# KiCad board SparkFun_GNSS_DAN-F10N_panelized.kicad_pcb
note: Designed by: N. Seidle
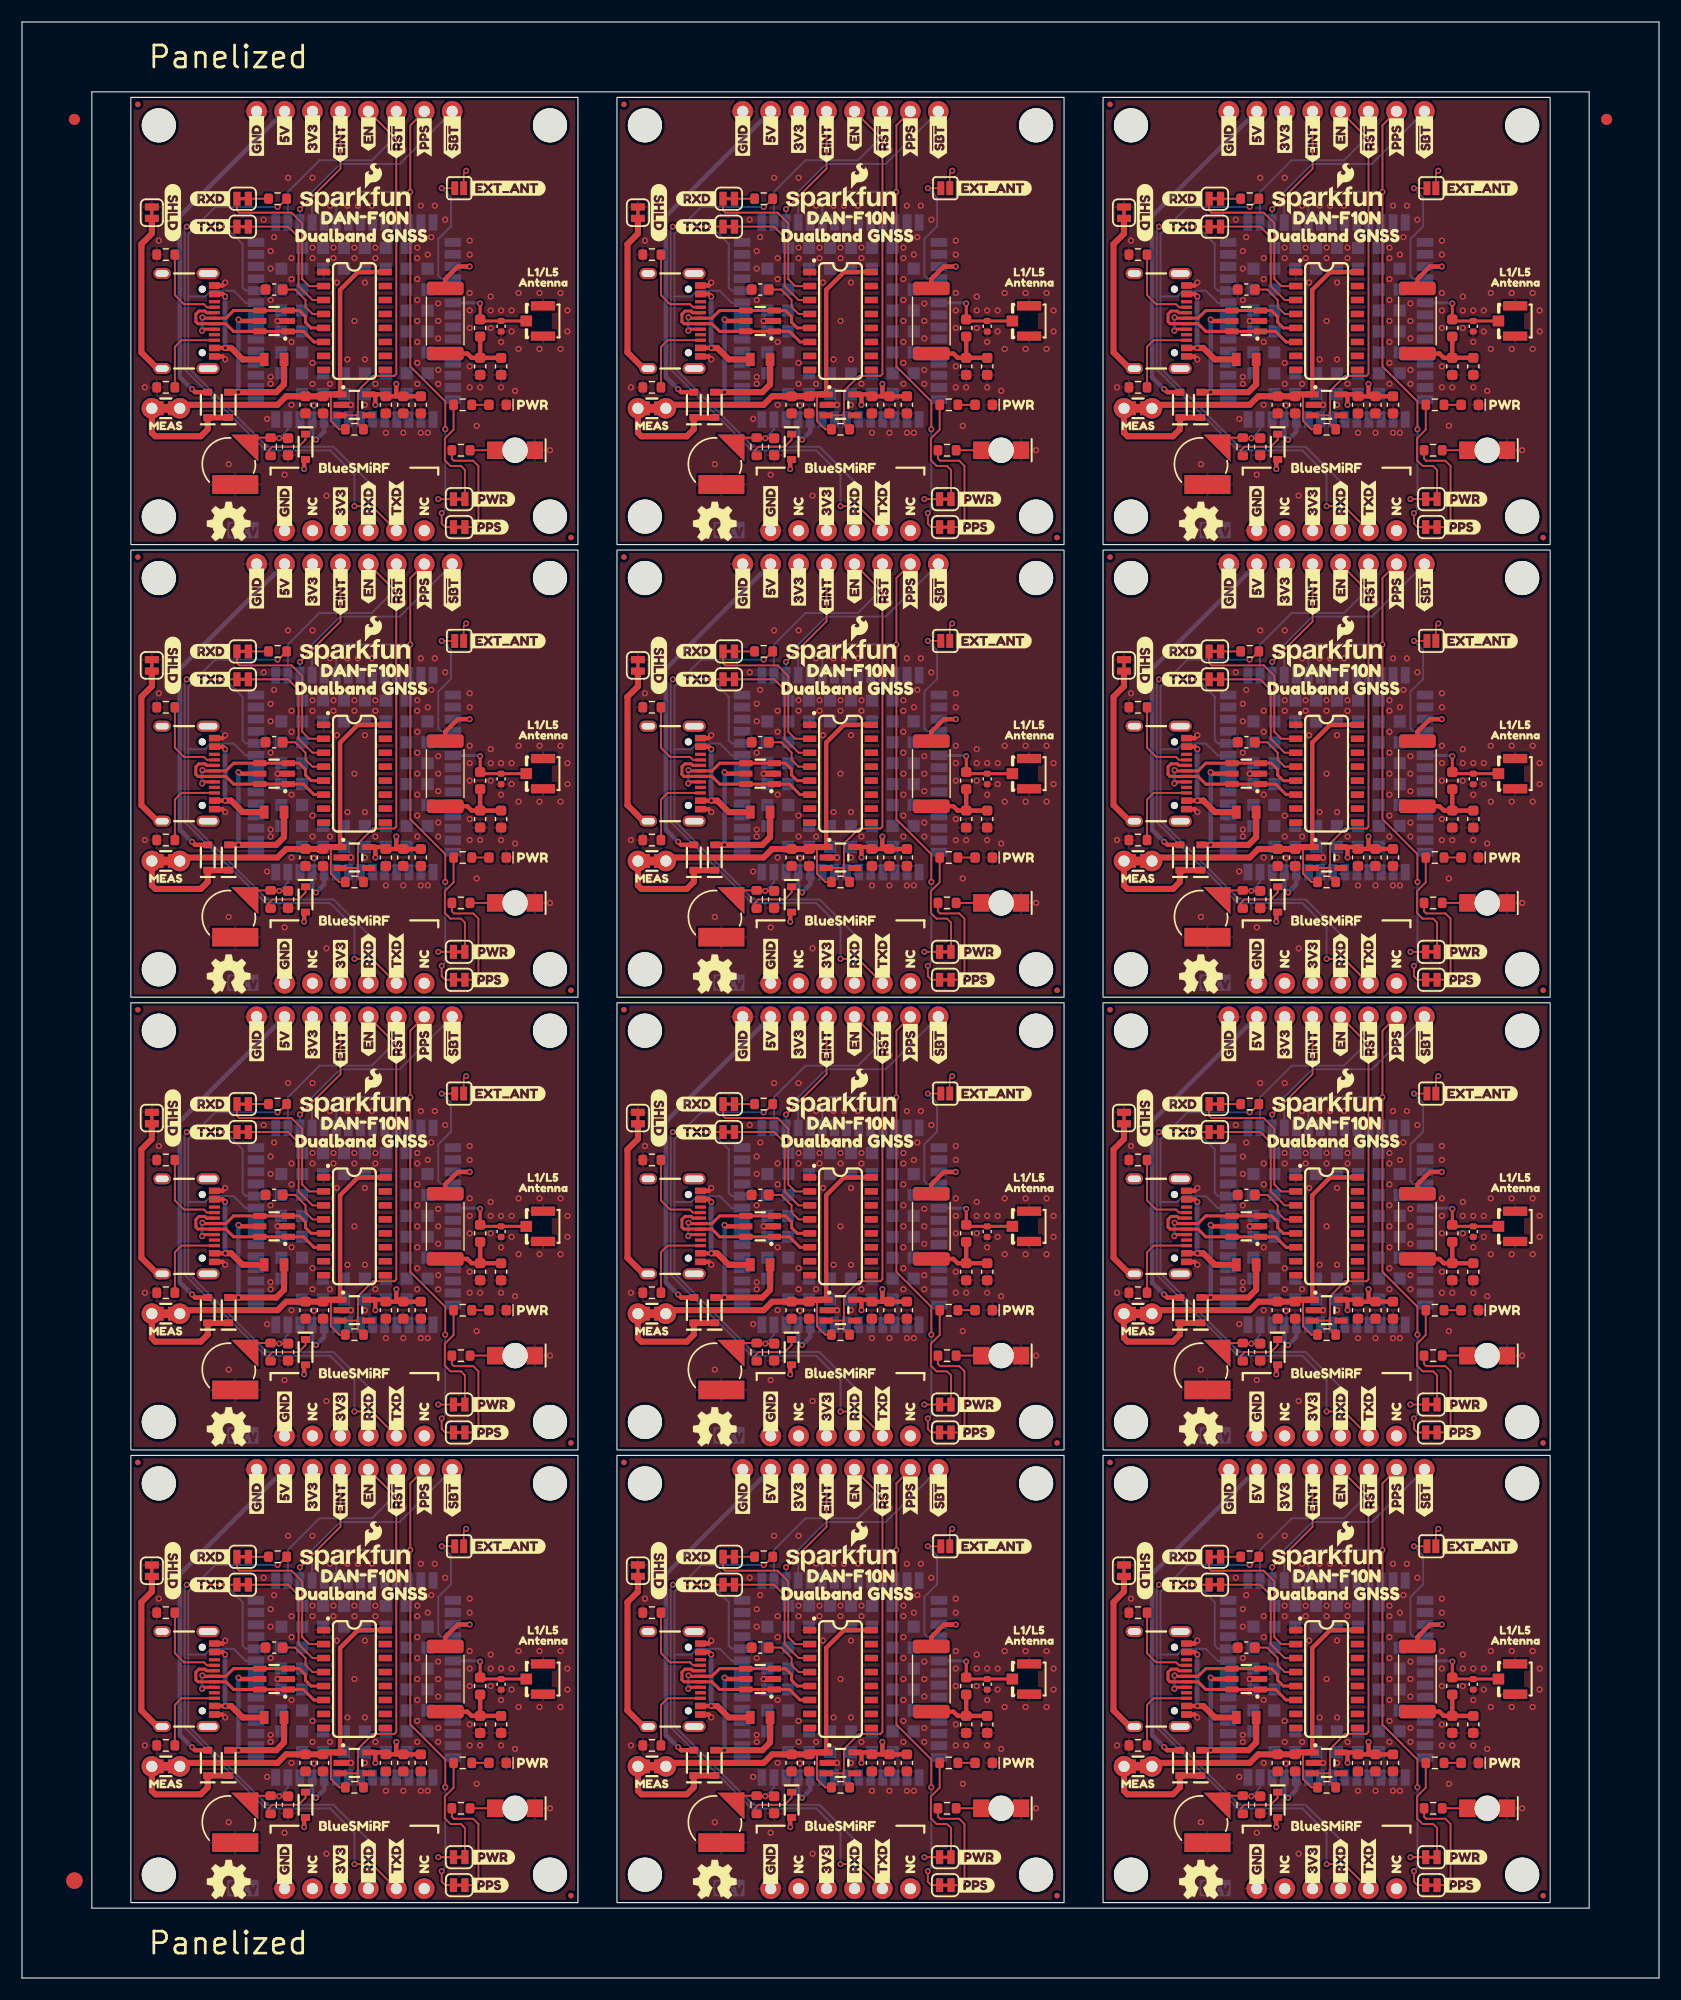
[diagram p0: board, top side]
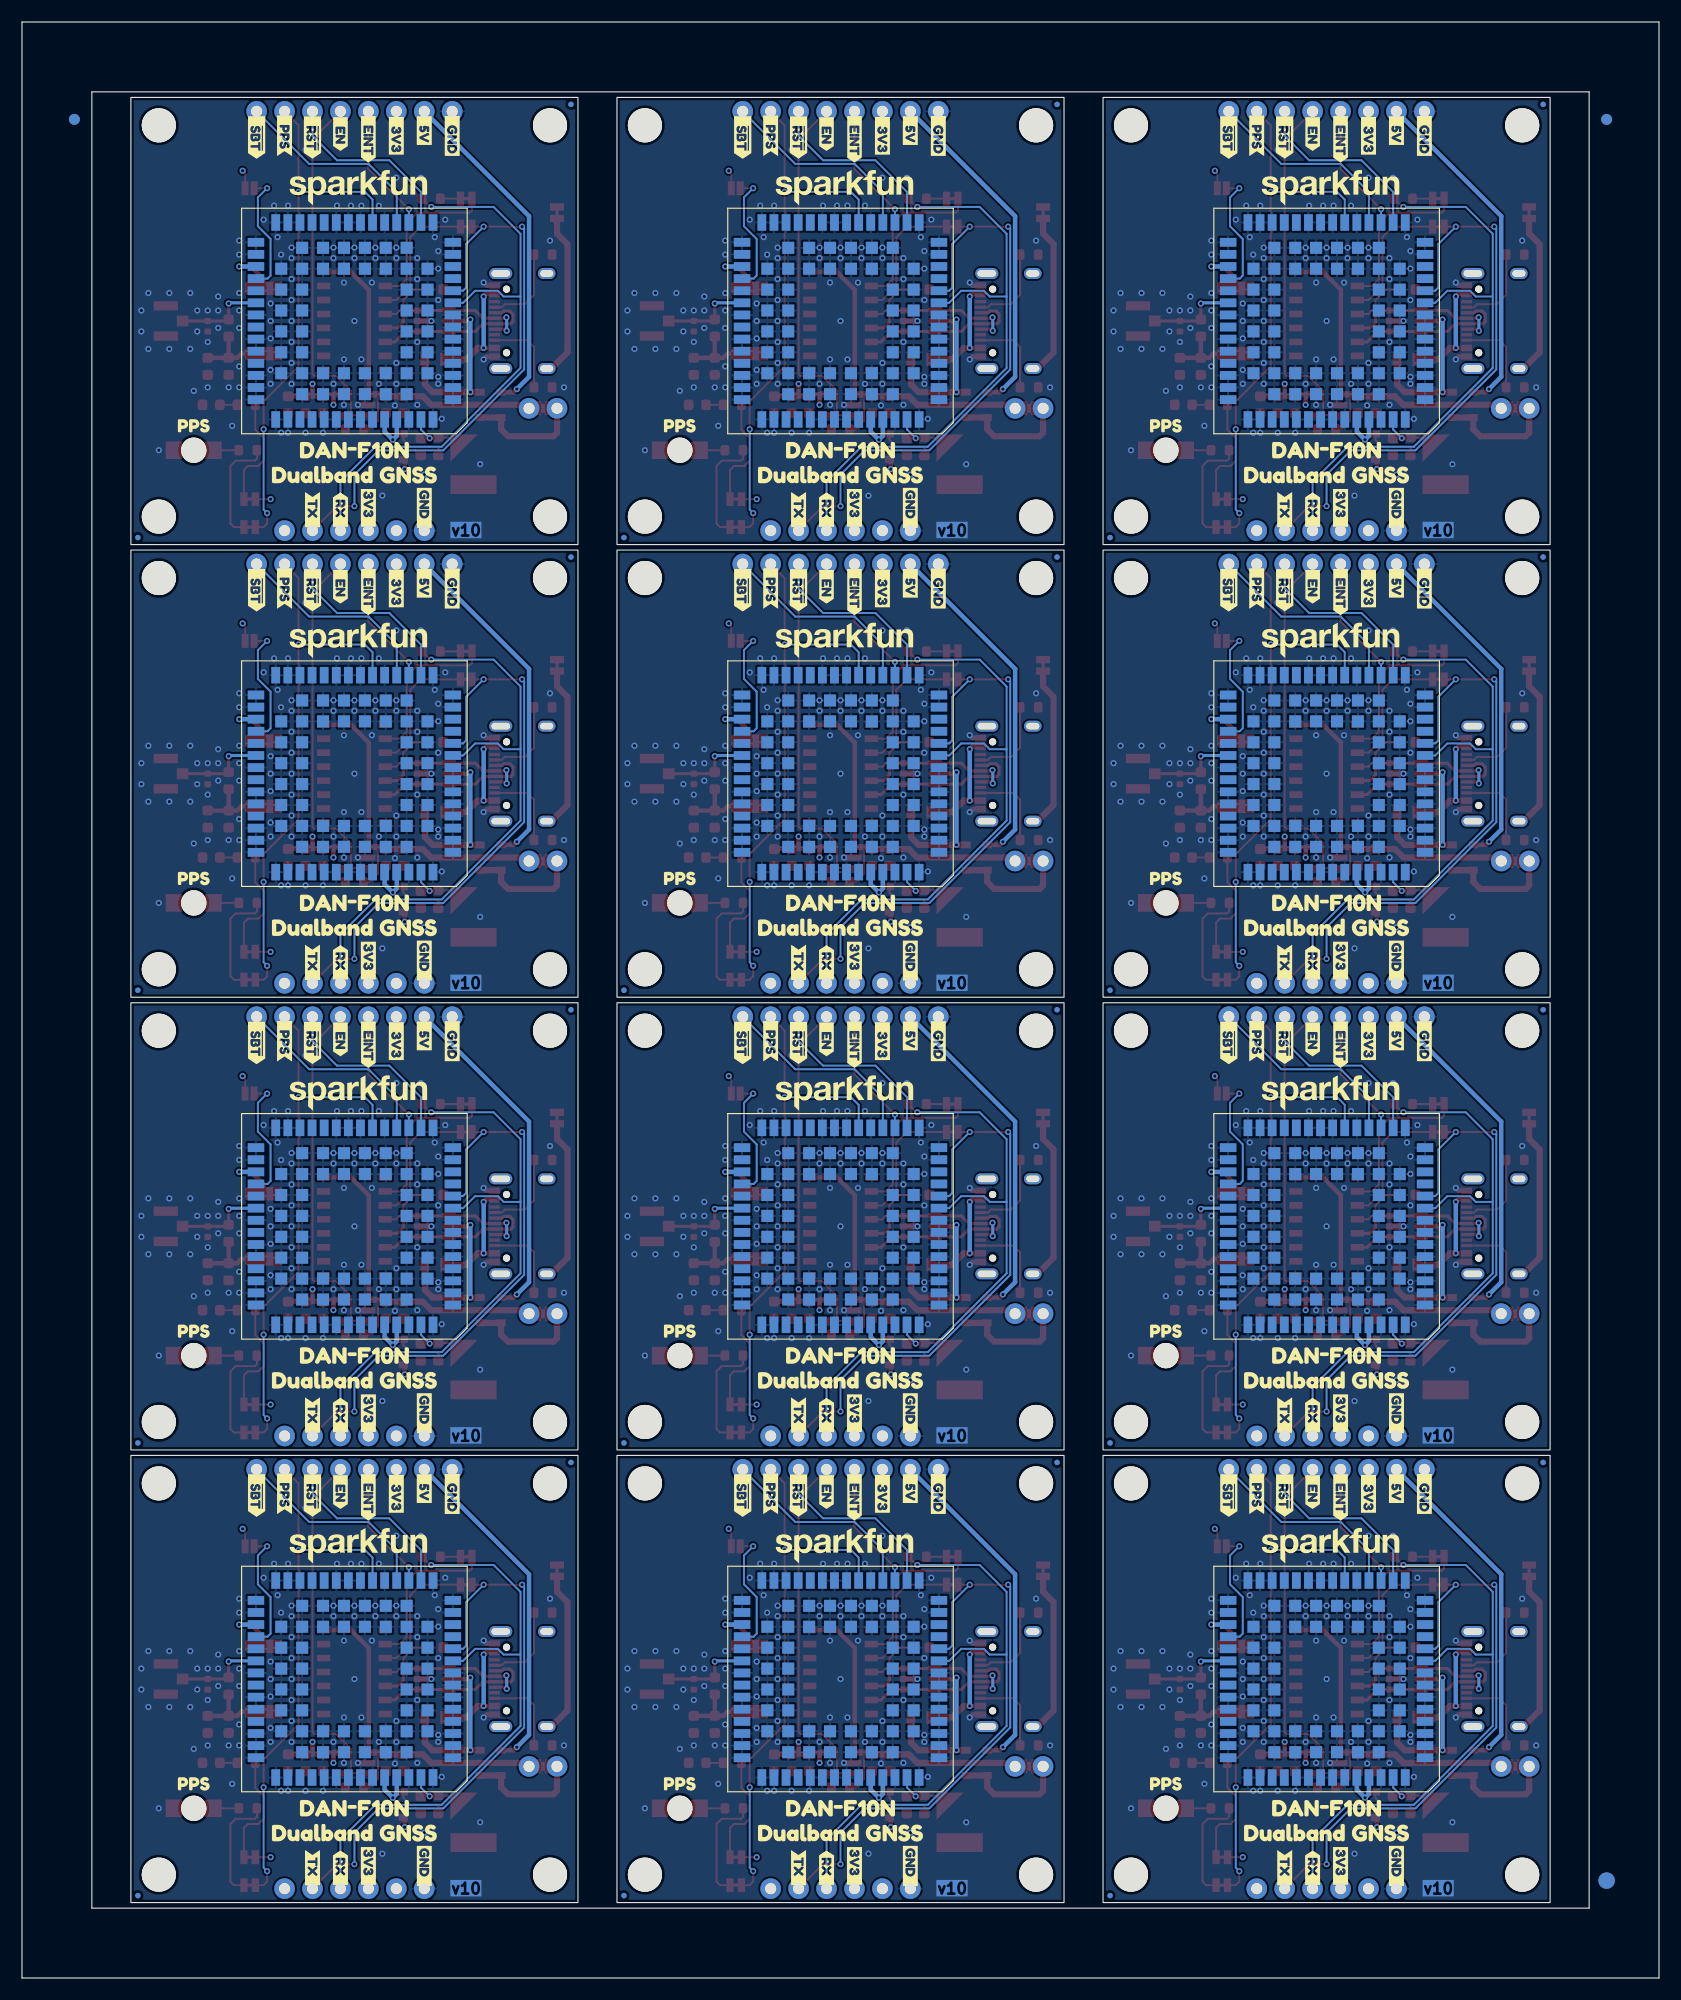
[diagram p1: board, bottom side, seen from below]

Outline 148.81 x 177.76 mm; copper layers: Top, In1.Cu, In2.Cu, Bottom. Coordinates in mm from the lower left corner of the outline.
Outline path: rectangle 9.9,170.91 50.54,130.27 ; rectangle 9.9,129.77 50.54,89.13 ; rectangle 9.9,88.63 50.54,47.99 ; rectangle 9.9,47.49 50.54,6.85 ; rectangle 54.09,170.91 94.73,130.27 ; rectangle 54.09,129.77 94.73,89.13 ; rectangle 54.09,88.63 94.73,47.99 ; rectangle 54.09,47.49 94.73,6.85 ; rectangle 98.27,170.91 138.91,130.27 ; rectangle 98.27,129.77 138.91,89.13 ; rectangle 98.27,88.63 138.91,47.99 ; rectangle 98.27,47.49 138.91,6.85 ; 0,177.76 148.81,177.76 148.81,0 0,0 0,177.76 ; 6.35,171.41 142.46,171.41 142.46,6.35 6.35,6.35 6.35,171.41
Stack: Top 0.035mm / dielectric 0.1mm FR4 er 4.5 / In1.Cu 0.035mm / dielectric 1.24mm FR4 er 4.5 / In2.Cu 0.035mm / dielectric 0.1mm FR4 er 4.5 / Bottom 0.035mm

## Placement (name value [footprint] x y rotation side)
BT1  6.8mm_ML414H  [ML414H_IV01E]  18.79 14.15 0 top
BT1#2  6.8mm_ML414H  [ML414H_IV01E]  62.98 55.29 0 top
BT1#3  6.8mm_ML414H  [ML414H_IV01E]  18.79 137.57 0 top
BT1#4  6.8mm_ML414H  [ML414H_IV01E]  107.16 14.15 0 top
BT1#5  6.8mm_ML414H  [ML414H_IV01E]  18.79 55.29 0 top
BT1#6  6.8mm_ML414H  [ML414H_IV01E]  18.79 96.43 0 top
BT1#7  6.8mm_ML414H  [ML414H_IV01E]  62.98 14.15 0 top
BT1#8  6.8mm_ML414H  [ML414H_IV01E]  62.98 96.43 0 top
BT1#9  6.8mm_ML414H  [ML414H_IV01E]  62.98 137.57 0 top
BT1#10  6.8mm_ML414H  [ML414H_IV01E]  107.16 55.29 0 top
BT1#11  6.8mm_ML414H  [ML414H_IV01E]  107.16 96.43 0 top
BT1#12  6.8mm_ML414H  [ML414H_IV01E]  107.16 137.57 0 top
C1  0.1uF  [C_0603_1608Metric]  43.55 23.04 270 top
C1#2  0.1uF  [C_0603_1608Metric]  43.55 105.32 270 top
C1#3  0.1uF  [C_0603_1608Metric]  131.93 23.04 270 top
C1#4  0.1uF  [C_0603_1608Metric]  43.55 64.18 270 top
C1#5  0.1uF  [C_0603_1608Metric]  87.74 146.46 270 top
C1#6  0.1uF  [C_0603_1608Metric]  87.74 64.18 270 top
C1#7  0.1uF  [C_0603_1608Metric]  87.74 105.32 270 top
C1#8  0.1uF  [C_0603_1608Metric]  43.55 146.46 270 top
C1#9  0.1uF  [C_0603_1608Metric]  87.74 23.04 270 top
C1#10  0.1uF  [C_0603_1608Metric]  131.93 64.18 270 top
C1#11  0.1uF  [C_0603_1608Metric]  131.93 105.32 270 top
C1#12  0.1uF  [C_0603_1608Metric]  131.93 146.46 270 top
C2  47pF  [C_0603_1608Metric]  41.65 64.18 270 top
C2#2  47pF  [C_0603_1608Metric]  85.84 146.46 270 top
C2#3  47pF  [C_0603_1608Metric]  85.84 64.18 270 top
C2#4  47pF  [C_0603_1608Metric]  130.02 105.32 270 top
C2#5  47pF  [C_0603_1608Metric]  85.84 23.04 270 top
C2#6  47pF  [C_0603_1608Metric]  41.65 105.32 270 top
C2#7  47pF  [C_0603_1608Metric]  41.65 146.46 270 top
C2#8  47pF  [C_0603_1608Metric]  85.84 105.32 270 top
C2#9  47pF  [C_0603_1608Metric]  130.02 23.04 270 top
C2#10  47pF  [C_0603_1608Metric]  130.02 64.18 270 top
C2#11  47pF  [C_0603_1608Metric]  130.02 146.46 270 top
C2#12  47pF  [C_0603_1608Metric]  41.65 23.04 270 top
C7  1.0uF  [C_0603_1608Metric]  27.36 19.55 270 top
C7#2  1.0uF  [C_0603_1608Metric]  27.36 142.97 270 top
C7#3  1.0uF  [C_0603_1608Metric]  71.55 101.83 270 top
C7#4  1.0uF  [C_0603_1608Metric]  115.74 19.55 270 top
C7#5  1.0uF  [C_0603_1608Metric]  27.36 101.83 270 top
C7#6  1.0uF  [C_0603_1608Metric]  71.55 19.55 270 top
C7#7  1.0uF  [C_0603_1608Metric]  27.36 60.69 270 top
C7#8  1.0uF  [C_0603_1608Metric]  71.55 60.69 270 top
C7#9  1.0uF  [C_0603_1608Metric]  71.55 142.97 270 top
C7#10  1.0uF  [C_0603_1608Metric]  115.74 142.97 270 top
C7#11  1.0uF  [C_0603_1608Metric]  115.74 60.69 270 top
C7#12  1.0uF  [C_0603_1608Metric]  115.74 101.83 270 top
C9  1.0uF  [C_0603_1608Metric]  24.19 98.02 270 top
C9#2  1.0uF  [C_0603_1608Metric]  68.37 15.74 270 top
C9#3  1.0uF  [C_0603_1608Metric]  24.19 56.88 270 top
C9#4  1.0uF  [C_0603_1608Metric]  24.19 139.16 270 top
C9#5  1.0uF  [C_0603_1608Metric]  112.56 98.02 270 top
C9#6  1.0uF  [C_0603_1608Metric]  68.37 56.88 270 top
C9#7  1.0uF  [C_0603_1608Metric]  68.37 98.02 270 top
C9#8  1.0uF  [C_0603_1608Metric]  112.56 15.74 270 top
C9#9  1.0uF  [C_0603_1608Metric]  112.56 56.88 270 top
C9#10  1.0uF  [C_0603_1608Metric]  112.56 139.16 270 top
C9#11  1.0uF  [C_0603_1608Metric]  68.37 139.16 270 top
C9#12  1.0uF  [C_0603_1608Metric]  24.19 15.74 270 top
C10  0.1uF  [C_0603_1608Metric]  22.92 30.03 0 top
C10#2  0.1uF  [C_0603_1608Metric]  22.92 153.45 0 top
C10#3  0.1uF  [C_0603_1608Metric]  67.1 112.31 0 top
C10#4  0.1uF  [C_0603_1608Metric]  22.92 71.17 0 top
C10#5  0.1uF  [C_0603_1608Metric]  67.1 30.03 0 top
C10#6  0.1uF  [C_0603_1608Metric]  22.92 112.31 0 top
C10#7  0.1uF  [C_0603_1608Metric]  67.1 71.17 0 top
C10#8  0.1uF  [C_0603_1608Metric]  111.29 153.45 0 top
C10#9  0.1uF  [C_0603_1608Metric]  67.1 153.45 0 top
C10#10  0.1uF  [C_0603_1608Metric]  111.29 30.03 0 top
C10#11  0.1uF  [C_0603_1608Metric]  111.29 71.17 0 top
C10#12  0.1uF  [C_0603_1608Metric]  111.29 112.31 0 top
C14  0.1uF  [C_0603_1608Metric]  25.77 19.55 270 top
C14#2  0.1uF  [C_0603_1608Metric]  69.96 101.83 270 top
C14#3  0.1uF  [C_0603_1608Metric]  25.77 101.83 270 top
C14#4  0.1uF  [C_0603_1608Metric]  69.96 19.55 270 top
C14#5  0.1uF  [C_0603_1608Metric]  69.96 60.69 270 top
C14#6  0.1uF  [C_0603_1608Metric]  25.77 60.69 270 top
C14#7  0.1uF  [C_0603_1608Metric]  114.15 142.97 270 top
C14#8  0.1uF  [C_0603_1608Metric]  25.77 142.97 270 top
C14#9  0.1uF  [C_0603_1608Metric]  114.15 19.55 270 top
C14#10  0.1uF  [C_0603_1608Metric]  69.96 142.97 270 top
C14#11  0.1uF  [C_0603_1608Metric]  114.15 60.69 270 top
C14#12  0.1uF  [C_0603_1608Metric]  114.15 101.83 270 top
C15  10uF  [C_0603_1608Metric]  34.66 19.55 270 top
C15#2  10uF  [C_0603_1608Metric]  78.85 101.83 270 top
C15#3  10uF  [C_0603_1608Metric]  34.66 60.69 270 top
C15#4  10uF  [C_0603_1608Metric]  34.66 142.97 270 top
C15#5  10uF  [C_0603_1608Metric]  78.85 19.55 270 top
C15#6  10uF  [C_0603_1608Metric]  78.85 60.69 270 top
C15#7  10uF  [C_0603_1608Metric]  34.66 101.83 270 top
C15#8  10uF  [C_0603_1608Metric]  123.04 142.97 270 top
C15#9  10uF  [C_0603_1608Metric]  78.85 142.97 270 top
C15#10  10uF  [C_0603_1608Metric]  123.04 19.55 270 top
C15#11  10uF  [C_0603_1608Metric]  123.04 101.83 270 top
C15#12  10uF  [C_0603_1608Metric]  123.04 60.69 270 top
C16  0.1uF  [C_0603_1608Metric]  33.08 19.55 270 top
C16#2  0.1uF  [C_0603_1608Metric]  33.08 60.69 270 top
C16#3  0.1uF  [C_0603_1608Metric]  33.08 142.97 270 top
C16#4  0.1uF  [C_0603_1608Metric]  33.08 101.83 270 top
C16#5  0.1uF  [C_0603_1608Metric]  77.26 19.55 270 top
C16#6  0.1uF  [C_0603_1608Metric]  77.26 60.69 270 top
C16#7  0.1uF  [C_0603_1608Metric]  121.45 19.55 270 top
C16#8  0.1uF  [C_0603_1608Metric]  121.45 60.69 270 top
C16#9  0.1uF  [C_0603_1608Metric]  77.26 142.97 270 top
C16#10  0.1uF  [C_0603_1608Metric]  77.26 101.83 270 top
C16#11  0.1uF  [C_0603_1608Metric]  121.45 142.97 270 top
C16#12  0.1uF  [C_0603_1608Metric]  121.45 101.83 270 top
C17  33pF  [C_0603_1608Metric]  36.25 19.55 270 top
C17#2  33pF  [C_0603_1608Metric]  36.25 142.97 270 top
C17#3  33pF  [C_0603_1608Metric]  36.25 60.69 270 top
C17#4  33pF  [C_0603_1608Metric]  80.44 142.97 270 top
C17#5  33pF  [C_0603_1608Metric]  36.25 101.83 270 top
C17#6  33pF  [C_0603_1608Metric]  80.44 19.55 270 top
C17#7  33pF  [C_0603_1608Metric]  80.44 60.69 270 top
C17#8  33pF  [C_0603_1608Metric]  80.44 101.83 270 top
C17#9  33pF  [C_0603_1608Metric]  124.63 142.97 270 top
C17#10  33pF  [C_0603_1608Metric]  124.63 101.83 270 top
C17#11  33pF  [C_0603_1608Metric]  124.63 19.55 270 top
C17#12  33pF  [C_0603_1608Metric]  124.63 60.69 270 top
D1  Red  [LED_0603_1608Metric_Red]  87.42 101.83 180 top
D1#2  Red  [LED_0603_1608Metric_Red]  131.61 19.55 180 top
D1#3  Red  [LED_0603_1608Metric_Red]  43.24 101.83 180 top
D1#4  Red  [LED_0603_1608Metric_Red]  43.24 60.69 180 top
D1#5  Red  [LED_0603_1608Metric_Red]  87.42 19.55 180 top
D1#6  Red  [LED_0603_1608Metric_Red]  87.42 60.69 180 top
D1#7  Red  [LED_0603_1608Metric_Red]  43.24 142.97 180 top
D1#8  Red  [LED_0603_1608Metric_Red]  87.42 142.97 180 top
D1#9  Red  [LED_0603_1608Metric_Red]  131.61 60.69 180 top
D1#10  Red  [LED_0603_1608Metric_Red]  131.61 101.83 180 top
D1#11  Red  [LED_0603_1608Metric_Red]  131.61 142.97 180 top
D1#12  Red  [LED_0603_1608Metric_Red]  43.24 19.55 180 top
D2  BAT60A  [SOD-323]  18.79 19.55 90 top
D2#2  BAT60A  [SOD-323]  62.98 101.83 90 top
D2#3  BAT60A  [SOD-323]  18.79 101.83 90 top
D2#4  BAT60A  [SOD-323]  18.79 142.97 90 top
D2#5  BAT60A  [SOD-323]  18.79 60.69 90 top
D2#6  BAT60A  [SOD-323]  62.98 19.55 90 top
D2#7  BAT60A  [SOD-323]  62.98 60.69 90 top
D2#8  BAT60A  [SOD-323]  107.16 60.69 90 top
D2#9  BAT60A  [SOD-323]  107.16 101.83 90 top
D2#10  BAT60A  [SOD-323]  62.98 142.97 90 top
D2#11  BAT60A  [SOD-323]  107.16 19.55 90 top
D2#12  BAT60A  [SOD-323]  107.16 142.97 90 top
D3  BAT60A  [SOD-323]  16.88 19.55 90 top
D3#2  BAT60A  [SOD-323]  105.26 19.55 90 top
D3#3  BAT60A  [SOD-323]  16.88 101.83 90 top
D3#4  BAT60A  [SOD-323]  61.07 19.55 90 top
D3#5  BAT60A  [SOD-323]  61.07 101.83 90 top
D3#6  BAT60A  [SOD-323]  61.07 142.97 90 top
D3#7  BAT60A  [SOD-323]  16.88 60.69 90 top
D3#8  BAT60A  [SOD-323]  16.88 142.97 90 top
D3#9  BAT60A  [SOD-323]  61.07 60.69 90 top
D3#10  BAT60A  [SOD-323]  105.26 142.97 90 top
D3#11  BAT60A  [SOD-323]  105.26 101.83 90 top
D3#12  BAT60A  [SOD-323]  105.26 60.69 90 top
D4  PESD0402  [C_0402_1005Metric]  43.55 26.69 90 top
D4#2  PESD0402  [C_0402_1005Metric]  43.55 108.97 90 top
D4#3  PESD0402  [C_0402_1005Metric]  87.74 26.69 90 top
D4#4  PESD0402  [C_0402_1005Metric]  87.74 108.97 90 top
D4#5  PESD0402  [C_0402_1005Metric]  131.93 67.83 90 top
D4#6  PESD0402  [C_0402_1005Metric]  131.93 150.11 90 top
D4#7  PESD0402  [C_0402_1005Metric]  43.55 67.83 90 top
D4#8  PESD0402  [C_0402_1005Metric]  43.55 150.11 90 top
D4#9  PESD0402  [C_0402_1005Metric]  87.74 67.83 90 top
D4#10  PESD0402  [C_0402_1005Metric]  87.74 150.11 90 top
D4#11  PESD0402  [C_0402_1005Metric]  131.93 26.69 90 top
D4#12  PESD0402  [C_0402_1005Metric]  131.93 108.97 90 top
D5  PMEG4005EJ  [SOD-323]  25.77 98.02 270 top
D5#2  PMEG4005EJ  [SOD-323]  25.77 139.16 270 top
D5#3  PMEG4005EJ  [SOD-323]  25.77 56.88 270 top
D5#4  PMEG4005EJ  [SOD-323]  114.15 56.88 270 top
D5#5  PMEG4005EJ  [SOD-323]  114.15 139.16 270 top
D5#6  PMEG4005EJ  [SOD-323]  69.96 139.16 270 top
D5#7  PMEG4005EJ  [SOD-323]  69.96 15.74 270 top
D5#8  PMEG4005EJ  [SOD-323]  114.15 98.02 270 top
D5#9  PMEG4005EJ  [SOD-323]  69.96 56.88 270 top
D5#10  PMEG4005EJ  [SOD-323]  69.96 98.02 270 top
D5#11  PMEG4005EJ  [SOD-323]  114.15 15.74 270 top
D5#12  PMEG4005EJ  [SOD-323]  25.77 15.74 270 top
D6  Green  [LED_1206_Bottom_Green]  44.82 15.42 0 top
D6#2  Green  [LED_1206_Bottom_Green]  133.2 15.42 0 top
D6#3  Green  [LED_1206_Bottom_Green]  89.01 15.42 0 top
D6#4  Green  [LED_1206_Bottom_Green]  89.01 138.84 0 top
D6#5  Green  [LED_1206_Bottom_Green]  44.82 97.7 0 top
D6#6  Green  [LED_1206_Bottom_Green]  44.82 138.84 0 top
D6#7  Green  [LED_1206_Bottom_Green]  89.01 97.7 0 top
D6#8  Green  [LED_1206_Bottom_Green]  44.82 56.56 0 top
D6#9  Green  [LED_1206_Bottom_Green]  89.01 56.56 0 top
D6#10  Green  [LED_1206_Bottom_Green]  133.2 97.7 0 top
D6#11  Green  [LED_1206_Bottom_Green]  133.2 56.56 0 top
D6#12  Green  [LED_1206_Bottom_Green]  133.2 138.84 0 top
F1  6V/0.5A/1A  [0805]  22.92 23.68 180 top
F1#2  6V/0.5A/1A  [0805]  67.1 105.96 180 top
F1#3  6V/0.5A/1A  [0805]  22.92 147.1 180 top
F1#4  6V/0.5A/1A  [0805]  67.1 64.82 180 top
F1#5  6V/0.5A/1A  [0805]  22.92 105.96 180 top
F1#6  6V/0.5A/1A  [0805]  22.92 64.82 180 top
F1#7  6V/0.5A/1A  [0805]  67.1 23.68 180 top
F1#8  6V/0.5A/1A  [0805]  67.1 147.1 180 top
F1#9  6V/0.5A/1A  [0805]  111.29 64.82 180 top
F1#10  6V/0.5A/1A  [0805]  111.29 105.96 180 top
F1#11  6V/0.5A/1A  [0805]  111.29 147.1 180 top
F1#12  6V/0.5A/1A  [0805]  111.29 23.68 180 top
FID1  Fiducial_0.5mm  [Fiducial_0.5mm_Mask1mm]  49.9 89.77 180 bottom
FID1#2  Fiducial_0.5mm  [Fiducial_0.5mm_Mask1mm]  94.09 7.48 180 bottom
FID1#3  Fiducial_0.5mm  [Fiducial_0.5mm_Mask1mm]  138.28 130.91 180 bottom
FID1#4  Fiducial_0.5mm  [Fiducial_0.5mm_Mask1mm]  49.9 48.62 180 bottom
FID1#5  Fiducial_0.5mm  [Fiducial_0.5mm_Mask1mm]  49.9 130.91 180 bottom
FID1#6  Fiducial_0.5mm  [Fiducial_0.5mm_Mask1mm]  94.09 48.62 180 bottom
FID1#7  Fiducial_0.5mm  [Fiducial_0.5mm_Mask1mm]  94.09 89.77 180 bottom
FID1#8  Fiducial_0.5mm  [Fiducial_0.5mm_Mask1mm]  94.09 130.91 180 bottom
FID1#9  Fiducial_0.5mm  [Fiducial_0.5mm_Mask1mm]  138.28 7.48 180 bottom
FID1#10  Fiducial_0.5mm  [Fiducial_0.5mm_Mask1mm]  138.28 48.62 180 bottom
FID1#11  Fiducial_0.5mm  [Fiducial_0.5mm_Mask1mm]  138.28 89.77 180 bottom
FID1#12  Fiducial_0.5mm  [Fiducial_0.5mm_Mask1mm]  49.9 7.48 180 bottom
FID2  Fiducial_0.5mm  [Fiducial_0.5mm_Mask1mm]  10.53 88 180 bottom
FID2#2  Fiducial_0.5mm  [Fiducial_0.5mm_Mask1mm]  10.53 129.13 180 bottom
FID2#3  Fiducial_0.5mm  [Fiducial_0.5mm_Mask1mm]  98.91 88 180 bottom
FID2#4  Fiducial_0.5mm  [Fiducial_0.5mm_Mask1mm]  98.91 170.28 180 bottom
FID2#5  Fiducial_0.5mm  [Fiducial_0.5mm_Mask1mm]  10.53 170.28 180 bottom
FID2#6  Fiducial_0.5mm  [Fiducial_0.5mm_Mask1mm]  54.72 46.86 180 bottom
FID2#7  Fiducial_0.5mm  [Fiducial_0.5mm_Mask1mm]  98.91 46.86 180 bottom
FID2#8  Fiducial_0.5mm  [Fiducial_0.5mm_Mask1mm]  54.72 129.13 180 bottom
FID2#9  Fiducial_0.5mm  [Fiducial_0.5mm_Mask1mm]  98.91 129.13 180 bottom
FID2#10  Fiducial_0.5mm  [Fiducial_0.5mm_Mask1mm]  54.72 170.28 180 bottom
FID2#11  Fiducial_0.5mm  [Fiducial_0.5mm_Mask1mm]  54.72 88 180 bottom
FID2#12  Fiducial_0.5mm  [Fiducial_0.5mm_Mask1mm]  10.53 46.86 180 bottom
FID3  Fiducial_0.5mm  [Fiducial_0.5mm_Mask1mm]  10.53 46.86 0 top
FID3#2  Fiducial_0.5mm  [Fiducial_0.5mm_Mask1mm]  10.53 129.13 0 top
FID3#3  Fiducial_0.5mm  [Fiducial_0.5mm_Mask1mm]  10.53 88 0 top
FID3#4  Fiducial_0.5mm  [Fiducial_0.5mm_Mask1mm]  54.72 170.28 0 top
FID3#5  Fiducial_0.5mm  [Fiducial_0.5mm_Mask1mm]  10.53 170.28 0 top
FID3#6  Fiducial_0.5mm  [Fiducial_0.5mm_Mask1mm]  54.72 46.86 0 top
FID3#7  Fiducial_0.5mm  [Fiducial_0.5mm_Mask1mm]  54.72 88 0 top
FID3#8  Fiducial_0.5mm  [Fiducial_0.5mm_Mask1mm]  54.72 129.13 0 top
FID3#9  Fiducial_0.5mm  [Fiducial_0.5mm_Mask1mm]  98.91 46.86 0 top
FID3#10  Fiducial_0.5mm  [Fiducial_0.5mm_Mask1mm]  98.91 88 0 top
FID3#11  Fiducial_0.5mm  [Fiducial_0.5mm_Mask1mm]  98.91 170.28 0 top
FID3#12  Fiducial_0.5mm  [Fiducial_0.5mm_Mask1mm]  98.91 129.13 0 top
FID4  Fiducial_0.5mm  [Fiducial_0.5mm_Mask1mm]  49.9 7.48 0 top
FID4#2  Fiducial_0.5mm  [Fiducial_0.5mm_Mask1mm]  94.09 7.48 0 top
FID4#3  Fiducial_0.5mm  [Fiducial_0.5mm_Mask1mm]  94.09 130.91 0 top
FID4#4  Fiducial_0.5mm  [Fiducial_0.5mm_Mask1mm]  49.9 48.62 0 top
FID4#5  Fiducial_0.5mm  [Fiducial_0.5mm_Mask1mm]  49.9 130.91 0 top
FID4#6  Fiducial_0.5mm  [Fiducial_0.5mm_Mask1mm]  49.9 89.77 0 top
FID4#7  Fiducial_0.5mm  [Fiducial_0.5mm_Mask1mm]  94.09 48.62 0 top
FID4#8  Fiducial_0.5mm  [Fiducial_0.5mm_Mask1mm]  94.09 89.77 0 top
FID4#9  Fiducial_0.5mm  [Fiducial_0.5mm_Mask1mm]  138.28 7.48 0 top
FID4#10  Fiducial_0.5mm  [Fiducial_0.5mm_Mask1mm]  138.28 130.91 0 top
FID4#11  Fiducial_0.5mm  [Fiducial_0.5mm_Mask1mm]  138.28 48.62 0 top
FID4#12  Fiducial_0.5mm  [Fiducial_0.5mm_Mask1mm]  138.28 89.77 0 top
G1  OSHW_Logo  [Creative_Commons_License]  107.05 -35.06 0 top
G***  LOGO  [SparkFun_Logo_10mm]  30.22 38.28 0 top
G***#2  LOGO  [SparkFun_Logo_10mm]  74.41 120.56 0 top
G***#3  LOGO  [SparkFun_Logo_10mm]  30.22 120.56 0 top
G***#4  LOGO  [SparkFun_Logo_10mm]  30.22 161.7 0 top
G***#5  LOGO  [SparkFun_Logo_10mm]  74.41 79.42 0 top
G***#6  LOGO  [SparkFun_Logo_10mm]  30.22 79.42 0 top
G***#7  LOGO  [SparkFun_Logo_10mm]  74.41 38.28 0 top
G***#8  LOGO  [SparkFun_Logo_10mm]  118.59 161.7 0 top
G***#9  LOGO  [SparkFun_Logo_10mm]  118.59 38.28 0 top
G***#10  LOGO  [SparkFun_Logo_10mm]  118.59 79.42 0 top
G***#11  LOGO  [SparkFun_Logo_10mm]  74.41 161.7 0 top
G***#12  LOGO  [SparkFun_Logo_10mm]  118.59 120.56 0 top
G***#13  LOGO  [SparkFun_Logo_NoFlame_12.5mm]  118.59 80.69 180 bottom
G***#14  LOGO  [SparkFun_Logo_NoFlame_12.5mm]  30.22 80.69 180 bottom
G***#15  LOGO  [SparkFun_Logo_NoFlame_12.5mm]  30.22 162.97 180 bottom
G***#16  LOGO  [SparkFun_Logo_NoFlame_12.5mm]  74.41 80.69 180 bottom
G***#17  LOGO  [SparkFun_Logo_NoFlame_12.5mm]  118.59 121.83 180 bottom
G***#18  LOGO  [SparkFun_Logo_NoFlame_12.5mm]  74.41 39.55 180 bottom
G***#19  LOGO  [SparkFun_Logo_NoFlame_12.5mm]  30.22 121.83 180 bottom
G***#20  LOGO  [SparkFun_Logo_NoFlame_12.5mm]  74.41 121.83 180 bottom
G***#21  LOGO  [SparkFun_Logo_NoFlame_12.5mm]  74.41 162.97 180 bottom
G***#22  LOGO  [SparkFun_Logo_NoFlame_12.5mm]  118.59 39.55 180 bottom
G***#23  LOGO  [SparkFun_Logo_NoFlame_12.5mm]  118.59 162.97 180 bottom
G***#24  LOGO  [SparkFun_Logo_NoFlame_12.5mm]  30.22 39.55 180 bottom
J1  USB_C_Receptacle  [USB-C_16]  17.83 68.31 270 top
J1#2  USB_C_Receptacle  [USB-C_16]  62.02 68.31 270 top
J1#3  USB_C_Receptacle  [USB-C_16]  106.21 109.45 270 top
J1#4  USB_C_Receptacle  [USB-C_16]  62.02 109.45 270 top
J1#5  USB_C_Receptacle  [USB-C_16]  62.02 150.59 270 top
J1#6  USB_C_Receptacle  [USB-C_16]  17.83 109.45 270 top
J1#7  USB_C_Receptacle  [USB-C_16]  17.83 150.59 270 top
J1#8  USB_C_Receptacle  [USB-C_16]  62.02 27.17 270 top
J1#9  USB_C_Receptacle  [USB-C_16]  106.21 27.17 270 top
J1#10  USB_C_Receptacle  [USB-C_16]  106.21 68.31 270 top
J1#11  USB_C_Receptacle  [USB-C_16]  106.21 150.59 270 top
J1#12  USB_C_Receptacle  [USB-C_16]  17.83 27.17 270 top
J2  Conn_01x06  [1x06]  36.57 8.12 180 top
J2#2  Conn_01x06  [1x06]  36.57 49.26 180 top
J2#3  Conn_01x06  [1x06]  80.76 49.26 180 top
J2#4  Conn_01x06  [1x06]  36.57 90.4 180 top
J2#5  Conn_01x06  [1x06]  124.94 8.12 180 top
J2#6  Conn_01x06  [1x06]  124.94 90.4 180 top
J2#7  Conn_01x06  [1x06]  36.57 131.54 180 top
J2#8  Conn_01x06  [1x06]  80.76 8.12 180 top
J2#9  Conn_01x06  [1x06]  80.76 90.4 180 top
J2#10  Conn_01x06  [1x06]  80.76 131.54 180 top
J2#11  Conn_01x06  [1x06]  124.94 49.26 180 top
J2#12  Conn_01x06  [1x06]  124.94 131.54 180 top
J4  -  [U.FL]  47.36 27.17 180 top
J4#2  -  [U.FL]  47.36 109.45 180 top
J4#3  -  [U.FL]  135.74 27.17 180 top
J4#4  -  [U.FL]  47.36 68.31 180 top
J4#5  -  [U.FL]  47.36 150.59 180 top
J4#6  -  [U.FL]  91.55 109.45 180 top
J4#7  -  [U.FL]  91.55 68.31 180 top